# KiCad board bottom.kicad_pcb
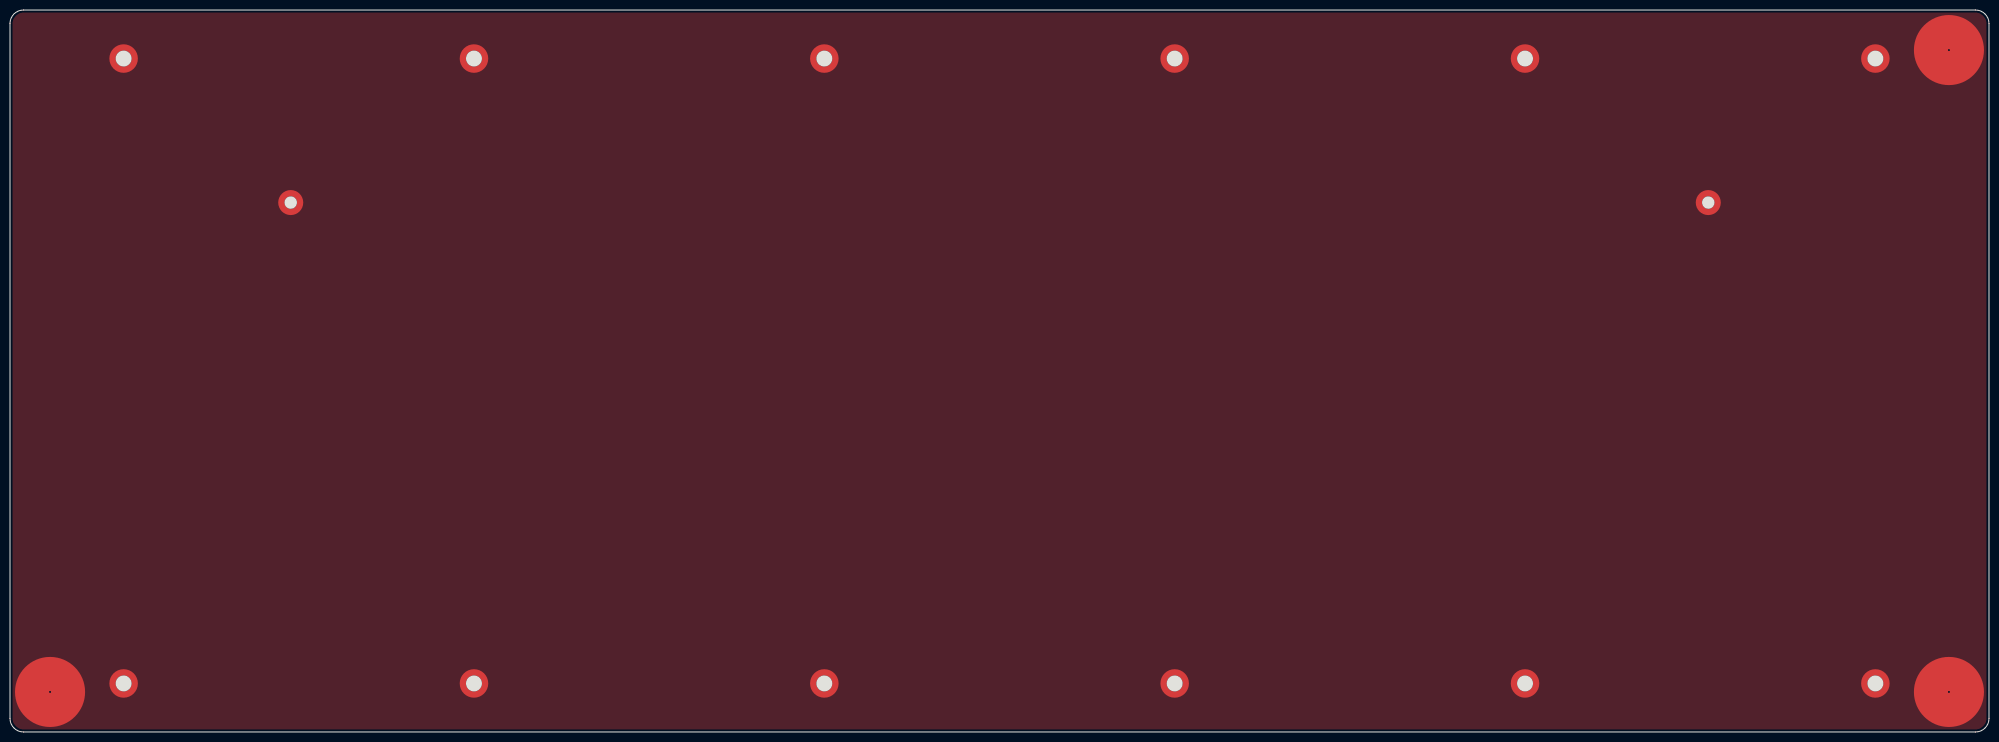
[diagram p0: board, top side]
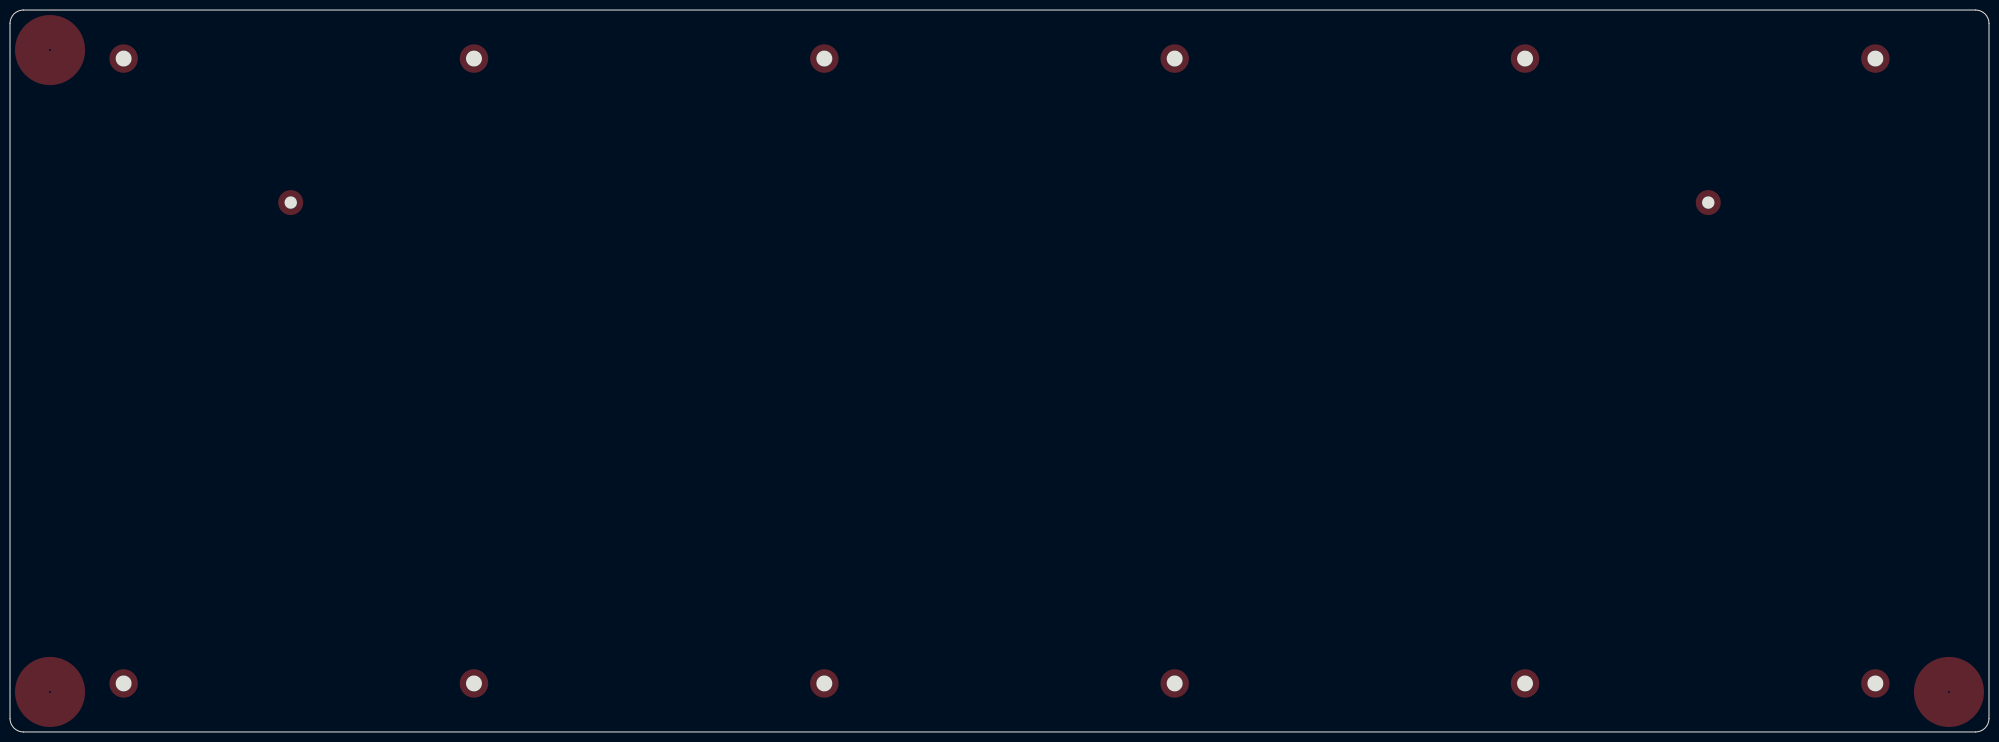
[diagram p1: board, bottom side, seen from below]

Outline 395.4 x 144.25 mm; copper layers: Top, Bottom. Coordinates in mm from the lower left corner of the outline.
Outline path: 0,141.55 arc(0.79,143.46) 2.7,144.25 392.7,144.25 arc(394.61,143.46) 395.4,141.55 395.4,2.7 arc(394.61,0.79) 392.7,0 2.7,0 arc(0.79,0.79) 0,2.7 0,141.55

## Placement (name value [footprint] x y rotation side)
H1  MountingHole_Pad  [MountingHole_3.2mm_M3_ISO7380_Pad]  22.7 134.55 0 top
H2  MountingHole_Pad  [MountingHole_3.2mm_M3_ISO7380_Pad]  92.7 134.55 0 top
H3  MountingHole_Pad  [MountingHole_3.2mm_M3_ISO7380_Pad]  162.7 134.55 0 top
H4  MountingHole_Pad  [MountingHole_3.2mm_M3_ISO7380_Pad]  232.7 134.55 0 top
H5  MountingHole_Pad  [MountingHole_3.2mm_M3_ISO7380_Pad]  302.7 134.55 0 top
H6  MountingHole_Pad  [MountingHole_3.2mm_M3_ISO7380_Pad]  372.7 134.55 0 top
H7  MountingHole_Pad  [MountingHole_3.2mm_M3_ISO7380_Pad]  22.7 9.7 0 top
H8  MountingHole_Pad  [MountingHole_3.2mm_M3_ISO7380_Pad]  92.7 9.7 0 top
H9  MountingHole_Pad  [MountingHole_3.2mm_M3_ISO7380_Pad]  162.7 9.7 0 top
H10  MountingHole_Pad  [MountingHole_3.2mm_M3_ISO7380_Pad]  232.7 9.7 0 top
H11  MountingHole_Pad  [MountingHole_3.2mm_M3_ISO7380_Pad]  302.7 9.7 0 top
H12  MountingHole_Pad  [MountingHole_3.2mm_M3_ISO7380_Pad]  372.7 9.7 0 top
H13  MountingHole_Pad  [MountingHole_2.5mm_Pad]  339.31 105.78 0 top
H14  MountingHole_Pad  [MountingHole_2.5mm_Pad]  56.09 105.78 0 top
HL1  MountingHole  [boston-streets-thinner-5]  198.7 70.7 0 top
HL2  MountingHole  [boston-streets-thinner-5-CU]  198.7 70.7 180 bottom

## Footprints (pads in the part's own frame, mm; a bottom-side part is the same pattern mirrored in y, then rotated)
MountingHole_2.5mm_Pad
  round 5 hole 2.5: 1(0,0)
MountingHole_3.2mm_M3_ISO7380_Pad
  round 5.7 hole 3.2: 1(0,0)

## Nets
FrontCuFill: H1.1 H2.1 H3.1 H4.1 H5.1 H6.1 H7.1 H8.1 H9.1 H10.1 H11.1 H12.1 H13.1 H14.1

## Via types
v1: diameter 14, hole 0.4, Top to Bottom, 3 vias

## Routing (per net, layer and track width the routed paths; a pad name or vN(x,y) marks a point on that pad's centre or on a via; arc(x,y) is an arc through that point)
FrontCuFill:
  vias: v1(8,8) v1(387.4,136.25) v1(387.4,8)

## Copper pours and planes (outline as drawn; the poured copper is in the pictures)
FrontCuFill on Top: 395.7,-0.3 -0.3,-0.3 -0.3,144.7 395.7,144.7
